# Altium PCB BaseBoard.PcbDoc (part 2 of 2)
Units mil, origin at the board's own origin, x right, y up, seen from the top; angles counter-clockwise.
Board outline 3469.66 x 2455.94 mil, 2 copper layers (Top Layer, Bottom Layer), stack 62.992 mil thick; 120 components, 101 nets, 403 pads, 233 vias.
Unrouted connection lines stored in the file: 1.
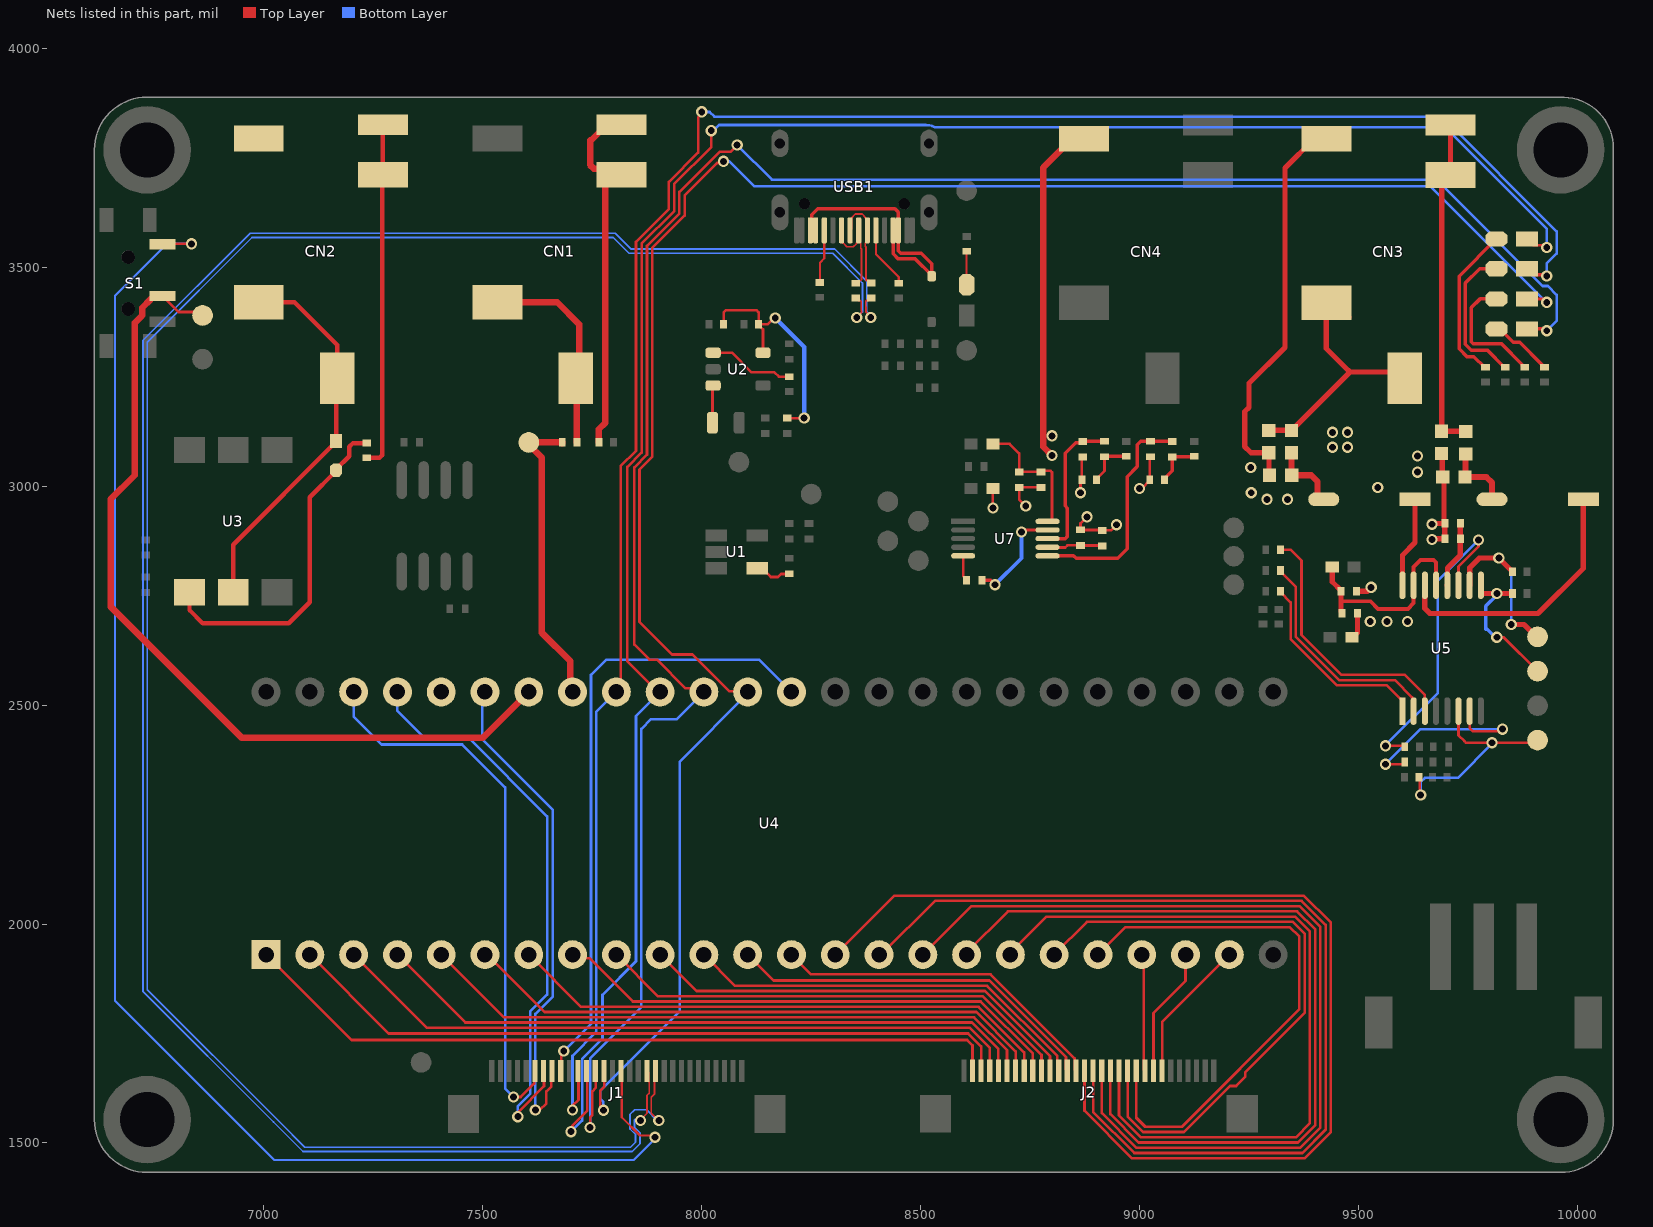
[diagram p2: the nets of this part, all layers, seen from the top]

## Via types
v1: diameter 25.59, hole 15.75, Top Layer to Bottom Layer, tented both sides, 233 vias

## Nets (pads, with @x,y where several pads share a name; then routed paths per layer and width w, separated by ;. In a path a pad name is that pad's centre, name@x,y a point inside that pad or via, vN(x,y) a via of type N, cw(c..) or ccw(c..) an arc to the next point about the centre after c; other vN are vias at no path point) (continued)
IN_AGND: C24.1 C25.1 C27.1 C29.1 C30.1 C31.1 C32.1 CN4.4 FB4.2 R31.2 R33.2 U7.9 | length 1464
  Top Layer w6: v1(8665,2950) FB4.2@8665,2995 ; v1(8730.41,2895.41) 8735,2900 U7.9@8790,2900 ; v1(8740,2955) 8725,2970 C24.1@8725,2997.28 C25.1@8775,2997.28 ; v1(8865,2985) 8865,3011.73 R31.2@8868.27,3015 8868.27,3064.81 C27.1@8870,3066.54 ; v1(8880,2930) 8865,2915 C30.1@8865,2900.43 8865.59,2899.84 8914.41,2899.84 C29.1@8915,2899.26 8934.26,2899.26 v1(8947,2912) ; v1(9000,2995) 9005.24,2995 9023.27,3013.03 R33.2@9023.27,3015 9023.27,3065.55 C31.1@9025,3067.28
  Top Layer w8: C32.1@8640,2785 8660,2785 v1(8670,2775)
  Top Layer w15: v1(8800,3070) 8780,3090 8780,3727.8 8845.71,3793.51 CN4.4@8873.27,3793.51
  Bottom Layer w9: v1(8670,2775) 8730.41,2835.41 v1(8730.41,2895.41)
  other v1: 8800,3115
LED_AUDIO: D5.1 J1.19 U4.39 | length 4743.3
  Top Layer w6: v1(7701.59,1525.8) 7705,1529.21 7705,1540 7738.23,1573.23 J1.19@7738.23,1663.31 ; U4.39@7905,2530 7900,2530 7830,2600 7830,3043.91 7863,3076.91 7863,3553.94 7937,3627.94 7937,3690 8021.8,3774.8 v1(8021.8,3812) ; D5.1@9885,3564.74 9899.5,3550.24 9924.76,3550.24 v1(9930,3545)
  Bottom Layer w6: v1(7701.59,1525.8) 7726.8,1551 7726.8,1691.8 7773.46,1738.46 7773.46,1838.46 7850,1915 7850,2475 U4.39@7905,2530 ; v1(8021.8,3812) 8026.62,3812 8039.62,3825 8512.13,3825 cw(c8512.13,3781.43) 8532.4,3820 9698.03,3820 9930,3588.03 v1(9930,3545)
LED_CLIP: D4.1 J1.20 U4.40 | length 4715.5
  Top Layer w6: v1@7705,1585 7718.54,1598.54 J1.20@7718.54,1663.31 ; U4.40@7805,2530 7815,2540 7815,3045.88 7850,3080.88 7850,3558 7925,3633 7925,3695 7992,3762 7992,3841.7 8000,3849.7 v1(8000,3855)
  Top Layer w8: D4.1@9885,3496.77 9898.5,3483.27 9926.73,3483.27 v1(9930,3480)
  Bottom Layer w6: v1(7705,1575) 7705,1699 7759,1753 7759,2484 U4.40@7805,2530 ; v1(8000,3855) 8000.28,3854.72 8018.28,3854.72 8029,3844 9691,3844 9952.8,3582.2 9952.8,3531 9930,3508.2 v1(9930,3480)
LED_MIDI_1: D7.1 J1.17 U4.37 | length 4706.3
  Top Layer w6: v1(7775.41,1574.59) 7768.2,1581.8 7768.2,1619.03 7777.6,1628.42 J1.17@7777.6,1663.31 ; v1(8050,3742) 8046.25,3738.25 8035.25,3738.25 7961,3664 7961,3618 7887,3544 7887,3066.97 7858,3037.97 7858,2690 7932.26,2615.74 7978.66,2615.74 8063,2531.4 8103.6,2531.4 U4.37@8105,2530 ; D7.1@9885,3427.6 9922.4,3427.6 v1(9930,3420)
  Bottom Layer w6: v1(7775.41,1574.59) 7775.41,1593.77 7768.2,1600.97 7768.2,1619.03 7950,1800.82 7950,2371 8105,2526 U4.37@8105,2530 ; v1(8050,3742) 8063,3742 8120,3685 9665,3685 v1(9930,3420)
LED_MIDI_2: D6.1 J1.18 U4.38 | length 4879.3
  Top Layer w6: v1(7745,1535) 7745,1558.06 7750.23,1563.29 7750.23,1618.02 7757.91,1625.71 J1.18@7757.91,1663.31 ; U4.38@8005,2530 7996.62,2538.38 7963,2538.38 7897.69,2603.69 7880.31,2603.69 7846,2638 7846,3042.94 7875,3071.94 7875,3548.97 7949,3622.97 7949,3671.82 8040.97,3763.8 8065.38,3763.8 8080.59,3779 v1(8081,3779)
  Top Layer w8: D6.1@9885,3359.2 9925.8,3359.2 v1(9930,3355)
  Bottom Layer w6: v1(7745,1535) 7745,1693.03 7862,1810.03 7862,2446 7884,2468 7943,2468 U4.38@8005,2530 ; v1(8081,3779) 8160,3700 9677.76,3700 9920.56,3457.2 9932.8,3457.2 9952.8,3437.2 9952.8,3377.8 v1(9930,3355)
MIDI_IN: MIDI-IN.1 S1.2 U4.42 | length 1996
  Top Layer w5: S1.2@6745.87,3435.47 S1.2@6781.3,3435.47 ; MIDI-IN.1@6852.28,3397.72 MIDI-IN.1@6860,3390
  Top Layer w6: S1.2@6776.3,3426.42 6805,3397.72 MIDI-IN.1@6852.28,3397.72
  Top Layer w15: S1.2@6740.87,3426.42 6722,3407.55 6722,3390 6705,3373 6705,3025 6650,2970 6650,2725 6950,2425 7500,2425 U4.42@7605,2530
MIDI_THRU: R5.2 THRU.1 U4.41 | length 689.9
  Top Layer w15: R5.2@7681.54,3098.03 R5.2@7681.54,3100 THRU.1@7605,3100 7605,3094.77 7635,3064.77 7635,2665 7700,2600 7700,2535 U4.41@7705,2530
NetC8_2: C8.2 U1.4 | length 84
  Top Layer w6: U1.4@8127.24,2812.6 8138.07,2812.6 8158,2792.67 8174.35,2792.67 8181.16,2799.48 8199.48,2799.48 C8.2@8200,2800
NetC11_1: C11.1 R11.2 R12.1 U2.5 | length 545.5
  Top Layer w6: R12.1@8050,3370 8050,3396.49 8055.51,3402 8125,3402 8130,3397 R11.2@8130,3370 ; U2.5@8140,3304.8 8140,3358.03 8130,3368.03 R11.2@8130,3370 ; v1(8168,3384) 8165.18,3384 8151.18,3370 R11.2@8130,3370 ; C11.1@8195,3155.43 8233.43,3155.43 v1(8234,3156)
  Bottom Layer w10: v1(8168,3384) 8234,3318 v1(8234,3156)
NetC14_1: C14.1 C16.1 FB1.1 U5.13 U5.15 | length 487
  Top Layer w9: 9459.82,2737.22 9527.8,2737.22 9545.02,2720 9613,2720 9626.02,2733.02 U5.15@9626.02,2773.7 9626.02,2815.02 9642,2831 9671.93,2831 9677.2,2825.73 U5.13@9677.2,2773.7
  Top Layer w12: FB1.1@9440,2815 9440,2781.79 9459.82,2761.97 C16.1@9459.82,2760 9459.82,2737.22 9459.82,2714.43 9462.28,2711.97 C14.1@9462.28,2710
NetC17_1: C17.1 U5.14 | length 620.4
  Top Layer w12: U5.14@9651.61,2773.7 9651.61,2720.39 9663,2709 9910,2709 10013.66,2812.66 C17.1@10013.66,2970
NetC17_2: C17.2 R17.2 R18.1 | length 158.2
  Top Layer w14: R17.2@9745,3073.82 9744.3,3073.12 9744.3,3021.71 R18.1@9743.59,3021 9792,3021 9805,3008 C17.2@9805,2970
NetC19_1: C19.1 U5.16 | length 208.3
  Top Layer w12: U5.16@9600.43,2773.7 9600.43,2842.43 9629.33,2871.33 C19.1@9629.33,2970
NetC19_2: C19.2 R21.2 R26.1 | length 166.3
  Top Layer w14: R21.2@9347,3076.41 9347.3,3076.11 9347.3,3025.3 R26.1@9347.59,3025 9392,3025 9406,3011 9406,2979.01 9415.01,2970 C19.2@9420.67,2970
NetC21_2: C21.2 C22.2 U5.12 | length 153.7
  Top Layer w12: U5.12@9702.8,2773.7 9703.14,2774.04 9703.14,2813.14 9732.71,2842.71 C21.2@9732.71,2880 C22.2@9732.71,2915
NetC24_2: C24.2 C25.2 FB3.2 U7.10 | length 308.9
  Top Layer w6: FB3.2@8665,3096.72 8703.28,3096.72 8725,3075 C24.2@8725,3032.71 C25.2@8775,3032.71 8777.29,3035 8796.49,3035 8800,3031.49 8800,2922.46 8797.23,2919.69 U7.10@8790,2919.69
NetC26_1: C26.1 R30.2 R31.1 | length 110.4
  Top Layer w6: R31.1@8901.73,3015 8901.73,3016.97 8920,3035.24 C26.1@8920,3067.28
  Top Layer w8: C26.1@8920,3067.28 8920.61,3067.89 8969.39,3067.89 R30.2@8970,3068.5
NetC26_2: C26.2 C27.2 U7.8 | length 340.5
  Top Layer w8: U7.8@8790,2880.31 8830.31,2880.31 8835,2885 8835,2950 8830,2955 8830,3075 8854.14,3099.14 8867.17,3099.14 C27.2@8870,3101.97 8870.37,3102.34 8919.63,3102.34 C26.2@8920,3102.71
NetC28_1: C28.1 R32.1 R33.1 | length 109.9
  Top Layer w8: R33.1@9056.73,3015 9056.73,3016.97 9075,3035.24 C28.1@9075,3066.54 9075.98,3067.52 9124.02,3067.52 R32.1@9125,3068.5
NetC28_2: C28.2 C31.2 U7.6 | length 524.6
  Top Layer w8: U7.6@8790,2840.94 8849.06,2840.94 8855,2835 8950,2835 8972,2857 8972,3022 8995,3045 8995,3095 9002.71,3102.71 C31.2@9025,3102.71 9025.38,3102.34 9074.63,3102.34 C28.2@9075,3101.97
NetC29_2: C29.2 C30.2 U7.7 | length 127.8
  Top Layer w6: U7.7@8790,2860.63 8790.63,2860 8830,2860 8835,2865 C30.2@8865,2865 8865.59,2864.41 8914.41,2864.41 C29.2@8915,2863.83
NetC32_2: C32.2 U7.5 | length 59
  Top Layer w6: U7.5@8597.09,2840.94 8597.09,2794.46 8604.57,2786.97 C32.2@8604.57,2785
NetD1_2: D1.2 R1.2 | length 76.5
  Top Layer w4: D1.2@8605,3460 R1.2@8605,3536.54
NetD3_2: D3.2 R8.2 U3.1 | length 783.7
  Top Layer w10: U3.1@6830,2757.6 6830,2717 6860,2687 7057,2687 7105,2735 7105,2974.57 7165,3034.57 D3.2@7165,3036.54 7165,3038.5 7195,3068.5 7195,3090 7203.46,3098.46 R8.2@7235,3098.46
NetD4_2: D4.2 R13.2 | length 337.3
  Top Layer w8: D4.2@9815,3496.77 9776.77,3496.77 9744,3464 9744,3323.89 9757.82,3310.07 9794.69,3310.07 9833.03,3271.73 R13.2@9835,3271.73
NetD5_2: D5.2 R14.2 | length 363.5
  Top Layer w8: R14.2@9790,3271.73 9788.03,3271.73 9763.69,3296.07 9747.82,3296.07 9730,3313.89 9730,3479.75 D5.2@9815,3564.74
NetD6_2: D6.2 R15.2 | length 147.4
  Top Layer w8: D6.2@9815,3359.2 9822.5,3359.2 9853.12,3328.57 9868.16,3328.57 9919.16,3277.57 9919.16,3275.61 9923.03,3271.73 R15.2@9925,3271.73
NetD7_2: D7.2 R16.2 | length 290.6
  Top Layer w8: D7.2@9815,3427.6 9777.6,3427.6 9758,3408 9758,3329.69 9762.69,3325 9826.73,3325 9874.16,3277.57 9874.16,3275.61 9878.03,3271.73 R16.2@9880,3271.73
NetL1_1: L1.1 U2.3 | length 85.6
  Top Layer w6: L1.1@8024.54,3145 8024.54,3228.54 U2.3@8026,3230
NetR3_1: R3.1 USB1.A5 | length 142.4
  Top Layer w5: USB1.A5@8397.99,3584.37 8397.99,3530.01 8450,3478 R3.1@8450,3463.46
NetR4_1: R4.1 USB1.B5 | length 123.5
  Top Layer w5: R4.1@8270,3465 8270,3510.5 8279.88,3520.38 USB1.B5@8279.88,3584.37
NetR10_2: R10.2 U2.1 | length 196.7
  Top Layer w6: U2.1@8026,3304.8 8069.2,3304.8 8114,3260 8166,3260 8176,3250 R10.2@8200,3250
NetR19_1: R19.1 SYS_CLK.1 U5.6 | length 517.2
  Top Layer w6: R19.1@9638.46,2335 9640.23,2333.23 9640.23,2296.77 v1(9642,2295) ; U5.6@9728.39,2486.3 9728.39,2431.1 9741.98,2417.51 9745.49,2414 v1(9805,2414) 9903,2414 SYS_CLK.1@9909,2420
  Bottom Layer w6: v1(9642,2295) 9642,2324 9652,2334 9726.82,2334 9805,2412.18 v1(9805,2414)
NetR20_2: R20.2 U5.1 | length 433.6
  Top Layer w6: R20.2@9321.73,2760 9321.73,2758.03 9345,2734.76 9345,2651.06 9451.06,2545 9564.85,2545 9595.06,2514.8 9596.54,2514.8 9600.43,2510.91 U5.1@9600.43,2509.42
NetR24_2: R24.2 U5.2 | length 521.6
  Top Layer w6: R24.2@9321.73,2807.5 9321.73,2805.53 9357,2770.26 9357,2656.03 9456.03,2557 9583,2557 9622.32,2517.68 9622.32,2516.71 9626.02,2513.01 U5.2@9626.02,2486.3
NetR25_2: R25.2 U5.3 | length 603.9
  Top Layer w6: R25.2@9321.73,2855 9345,2855 9370,2830 9370,2660 9461,2569 9606,2569 9651.61,2523.39 U5.3@9651.61,2486.3
NetR28_1: DEEM.1 R28.1 U5.9 | length 337.1
  Top Layer w6: v1@9819,2655 9831.39,2655 DEEM.1@9909,2577.39
  Top Layer w12: U5.9@9779.57,2773.7 9779.57,2755.82 9780.39,2755 v1(9815.96,2755) R28.1@9851.54,2755
  Bottom Layer w8: v1(9815.96,2655) 9812.29,2655 9794.29,2673 9791,2673 9791,2726.36 9815.96,2751.32 v1(9815.96,2755)
NetR29_1: PLL.1 R29.1 U5.10 | length 396.3
  Top Layer w12: U5.10@9753.98,2773.7 9754.32,2774.04 9754.32,2814.32 9776,2836 v1(9820.54,2836) 9847.69,2808.84 9849.66,2808.84 9851.54,2806.97 R29.1@9851.54,2805 ; v1(9849,2684) 9878.06,2684 9905.98,2656.08 PLL.1@9909,2656.08
  Bottom Layer w6: v1(9820.54,2836) 9849,2807.54 v1(9849,2684)
OUT_AGND: C14.2 C16.2 C18.1 C20.1 C21.1 C22.1 CN3.4 FB2.1 R18.2 R26.2 | length 1265.9
  Top Layer w12: R26.2@9296.41,3025 9295.71,3025.71 9295.71,3075.7 C20.1@9295,3076.41 9254.41,3076.41 9240,3090.81 9240,3170 9250,3180 9250,3235 9332,3317 9332,3726.53 9398.98,3793.51 CN3.4@9426.54,3793.51 ; FB2.1@9485,2655 9487.5,2655 9497.71,2665.21 9497.71,2676 C14.2@9497.71,2710 ; C16.2@9495.25,2760 9520,2760 v1(9529,2769) ; v1(9668,2878) 9670,2880 C21.1@9697.28,2880 C22.1@9697.28,2915 ; v1(9668,2913) 9670,2915 C22.1@9697.28,2915 ; C18.1@9690,3074.41 9691.21,3073.2 9691.21,3022.21 R18.2@9692.41,3021 9695.41,3018.01 9695.41,2916.87 C22.1@9697.28,2915
  other v1: 9527,2691 9565,2691 9612,2691 9291,2970 9338,2970 9255,2985 9544,2997 9635,3032 9254,3043 9635,3069 9441,3089 9475,3089 9441,3123 9475,3123
OUT_L: C18.2 CN3.3 CN3.7 R17.1 | length 762.9
  Top Layer w12: CN3.3@9710,3825 CN3.7@9710,3710.83 9690,3690.83 C18.2@9690,3125.59 9690.3,3125.29 9744.71,3125.29 R17.1@9745,3125
OUT_R: C20.2 CN3.5 CN3.6 R21.1 | length 617.7
  Top Layer w12: C20.2@9295,3127.59 R21.1@9347,3127.59 9480.4,3261 ; CN3.5@9477.63,3386.12 9444.26,3419.49 CN3.5@9426.54,3419.49 9426.54,3314.86 9477.63,3263.78 9480.4,3261 ; CN3.6@9605.67,3246.26 9590.93,3261 9480.4,3261
PIN15: J2.15 U4.15 | length 2247.5
  Top Layer w6: U4.15@8405,1930 8410,1930 8533,2053 9370.03,2053 9425,1998.03 9425,1530.15 9371.85,1477 8988.15,1477 8894.02,1571.13 J2.15@8894.02,1665
PIN16: J2.14 U4.16 | length 2079.7
  Top Layer w6: U4.16@8505,1930 8616,2041 9365.06,2041 9413,1993.06 9413,1535.12 9366.88,1489 8993.12,1489 8913.7,1568.42 J2.14@8913.7,1665
PIO01: J2.29 U4.1 | length 1757.1
  Top Layer w6: U4.1@7005,1930 7200,1735 8606.35,1735 8618.43,1722.93 J2.29@8618.43,1665
PIO02: J2.28 U4.2 | length 1675.2
  Top Layer w6: U4.2@7105,1930 7285,1750 8608.32,1750 8638.11,1720.21 J2.28@8638.11,1665
PIO03: J2.27 U4.3 | length 1593.3
  Top Layer w6: U4.3@7205,1930 7372,1763 8612.3,1763 8657.8,1717.5 J2.27@8657.8,1665
PIO04: J2.26 U4.4 | length 1511.4
  Top Layer w6: U4.4@7305,1930 7460,1775 8617.27,1775 8677.48,1714.79 J2.26@8677.48,1665
PIO05: J2.25 U4.5 | length 1429.5
  Top Layer w6: U4.5@7405,1930 7548,1787 8622.24,1787 8697.17,1712.07 J2.25@8697.17,1665
PIO06: J2.24 U4.6 | length 1347.6
  Top Layer w6: U4.6@7505,1930 7510,1930 7641,1799 8627.21,1799 8716.85,1709.36 J2.24@8716.85,1665
PIO07: J2.23 U4.7 | length 1265.7
  Top Layer w6: U4.7@7605,1930 7724,1811 8632.18,1811 8736.54,1706.64 J2.23@8736.54,1665
PIO08: J2.22 U4.8 | length 1183.8
  Top Layer w6: U4.8@7705,1930 7713.11,1921.89 7744,1921.89 7842.89,1823 8637.15,1823 8756.22,1703.93 J2.22@8756.22,1665
PIO09: J2.21 U4.9 | length 1101.9
  Top Layer w6: U4.9@7805,1930 7900,1835 8642.12,1835 8775.91,1701.21 J2.21@8775.91,1665
PIO10: J2.20 U4.10 | length 1020
  Top Layer w6: U4.10@7905,1930 7988,1847 8647.09,1847 8795.59,1698.5 J2.20@8795.59,1665
PIO11: J2.19 U4.11 | length 938.1
  Top Layer w6: U4.11@8005,1930 8076,1859 8652.06,1859 8812.37,1698.69 8812.37,1667.91 J2.19@8815.28,1665
PIO12: J2.18 U4.12 | length 856.2
  Top Layer w6: U4.12@8105,1930 8164,1871 8657.03,1871 8832.05,1695.97 8832.05,1667.91 J2.18@8834.96,1665
PIO13: J2.17 U4.13 | length 774.3
  Top Layer w6: U4.13@8205,1930 8250,1885 8660,1885 8851.74,1693.26 8851.74,1667.91 J2.17@8854.65,1665
PIO14: J2.16 U4.14 | length 2415.3
  Top Layer w6: U4.14@8305,1930 8440,2065 9375,2065 9437,2003 9437,1525.18 9376.82,1465 8983.18,1465 8874.33,1573.85 J2.16@8874.33,1665
PIO17: J2.13 U4.17 | length 1914.8
  Top Layer w6: U4.17@8605,1930 8605,1935 8699,2029 9360.09,2029 9401,1988.09 9401,1540.09 9361.91,1501 8998.09,1501 8933.39,1565.7 J2.13@8933.39,1665
PIO18: J2.12 U4.18 | length 1747
  Top Layer w6: U4.18@8705,1930 8705,1935 8787,2017 9355.12,2017 9389,1983.12 9389,1545.06 9356.94,1513 9003.06,1513 8953.07,1562.99 J2.12@8953.07,1665
PIO19: J2.11 U4.19 | length 1437.8
  Top Layer w6: U4.19@8805,1930 8880,2005 9350.15,2005 9377,1978.15 9377,1797 9241.82,1661.82 9241.82,1651.27 9220.58,1630.03 9206.44,1630.03 9101.41,1525 9008.03,1525 8972.76,1560.27 J2.11@8972.76,1665
PIO20: J2.10 U4.20 | length 1260.4
  Top Layer w6: U4.20@8905,1930 8968,1993 9343,1993 9365,1971 9365,1805.56 9096.44,1537 9013,1537 8992.44,1557.56 J2.10@8992.44,1665
PIO21: J2.9 U4.21 | length 268
  Top Layer w6: U4.21@9005,1930 9009.22,1925.78 9009.22,1667.91 J2.9@9012.13,1665
PIO22: J2.8 U4.22 | length 295.3
  Top Layer w6: J2.8@9031.81,1665 9031.81,1796.81 9105,1870 U4.22@9105,1930
PIO23: J2.7 U4.23 | length 328.6
  Top Layer w6: J2.7@9051.5,1665 9051.5,1776.5 U4.23@9205,1930
PIO36: J1.22 U4.36 | length 1436.9
  Top Layer w6: J1.22@7679.17,1663.31 7679.17,1704.17 v1(7685,1710)
  Bottom Layer w6: v1(7685,1710) 7747,1772 7747,2569 7782,2604 8131,2604 U4.36@8205,2530
PIO43: J1.23 U4.43 | length 1151.3
  Top Layer w6: v1(7620,1575) 7630,1575 7645,1590 7645,1617.77 7656.58,1629.35 7656.58,1660.4 J1.23@7659.49,1663.31
  Bottom Layer w6: U4.43@7505,2530 7499,2524 7499,2422 7660,2261 7660,1835 7620,1795 v1(7620,1575)
PIO45: J1.24 U4.45 | length 1326.7
  Top Layer w6: v1(7580,1560) 7580,1570 7639.8,1629.8 J1.24@7639.8,1663.31
  Bottom Layer w6: U4.45@7305,2530 7305,2487 7367,2425 7468,2425 7647,2246 7647,1839 7608,1800 7608,1612.18 7580,1584.18 v1(7580,1560)
PIO46: J1.25 U4.46 | length 1272.6
  Top Layer w6: v1(7570,1605) 7586.35,1605 7617.21,1635.86 7617.21,1660.4 J1.25@7620.12,1663.31
  Bottom Layer w6: U4.46@7205,2530 7205,2474 7269,2410 7453,2410 7551,2312 7551,1624 v1(7570,1605)
SFOR0: R22.2 U5.11 | length 724.6
  Top Layer w6: v1(9562,2407) 9603.75,2407 R22.2@9605.75,2405 ; U5.11@9728.39,2773.7 9728.39,2816.64 9774,2862.26 v1(9774,2877)
  Bottom Layer w6: v1(9562,2407) 9562,2409 9681.2,2528.2 9681.2,2784.2 v1(9774,2877)
SFOR1: R23.2 U5.7 | length 464.7
  Top Layer w6: v1(9562,2365) 9600.88,2365 9605.75,2369.87 R23.2@9605.75,2370 ; U5.7@9753.98,2486.3 9753.98,2448.02 9762,2440 9824,2440 v1(9829,2445)
  Bottom Layer w6: v1(9562,2365) 9642,2445 v1(9829,2445)
SPDIF_OUT: U4.44
TRS_MIDI_IN_R: CN2.3 CN2.7 R8.1 | length 792.8
  Top Layer w10: R8.1@7235,3065 7264.14,3065 7270,3070.86 7270,3709.61 CN2.7@7271.73,3711.34 CN2.3@7271.73,3825.51
TRS_MIDI_IN_S: CN2.4
TRS_MIDI_IN_T: CN2.5 CN2.6 D3.1 U3.2 | length 882.8
  Top Layer w10: U3.2@6930,2757.6 6930,2866.5 7165,3101.5 D3.1@7165,3103.46 7165,3244.37 CN2.6@7167.4,3246.77 7167.4,3322.6 7070,3420 CN2.5@6988.27,3420
TRS_MIDI_THRU_R: CN1.3 CN1.7 R2.1 | length 865.1
  Top Layer w15: R2.1@7765,3100 7765,3130 7780,3145 7780,3689.31 7802.03,3711.34 CN1.7@7816.73,3711.34 7803.07,3725 7753.79,3725 7745,3733.79 7745,3790 7747.76,3790 7783.27,3825.51 CN1.3@7816.73,3825.51
TRS_MIDI_THRU_T: CN1.5 CN1.6 R5.1 | length 481.7
  Top Layer w15: CN1.5@7533.27,3420 7670,3420 7720,3370 7720,3254.37 CN1.6@7712.4,3246.77 7715,3244.17 R5.1@7715,3100
USB_D_N: J1.12 R6.1 | length 4929.3
  Top Layer w4: v1@7860,1553.14 7875,1568.14 7875,1608.55 7879.93,1613.48 7879.93,1638.31 7878.8,1639.44 7878.8,1660.53 J1.12@7876.02,1663.31 ; v1(8386,3385) 8386,3386.97 8375.35,3397.62 8375.35,3408.32 8374.56,3409.12 8374.56,3422.05 8376.9,3424.39 8381.13,3424.39 R6.1@8387,3430.27
  Bottom Layer w4: v1@7860,1549 7860,1550 7863.81,1553.81 7848.55,1553.81 7846.2,1551.47 7846.2,1536.06 7858.93,1523.34 7858.93,1497.93 7841.41,1480.41 7089.45,1480.41 7021.93,1547.93 6723.73,1846.13 6723.73,3332.87 6968.79,3577.93 7802.07,3577.93 7805,3575 7838,3542 8303.14,3542 8377,3468.14 8377,3398 8386,3389 v1(8386,3385)
  other v1: 7860,1551.14
USB_D_P: J1.11 R7.1 | length 4937.6
  Top Layer w4: J1.11@7895.71,1663.31 7892,1659.6 7892,1611.41 7885,1604.41 7885,1568.14 v1(7902,1551.14) ; R7.1@8352,3430 8357.87,3424.13 8362.21,3424.13 8364.56,3421.78 8364.56,3401.03 8365.35,3400.23 8365.35,3396.91 8354,3385.56 v1(8354,3385)
  Bottom Layer w4: v1(7902,1551.14) 7898.86,1551.14 7874.2,1575.8 7846.8,1575.8 7836.2,1565.2 7836.2,1531.92 7848.93,1519.2 7848.93,1502.07 7837.27,1490.41 7093.59,1490.41 7036.07,1547.93 6733.73,1850.27 6733.73,3328.73 6972.93,3567.93 7797.93,3567.93 7833.86,3532 8299,3532 8367,3464 8367,3398 v1(8354,3385)
USB_IN_D_N: R6.2 USB1.A7 USB1.B7 | length 231.6
  Top Layer w4: USB1.A7@8338.94,3584.37 8342.26,3587.69 8342.26,3613.02 8351.13,3621.9 8366.11,3621.9 8372.53,3615.48 8372.53,3614.29 8378.31,3608.51 8378.31,3560.23 8373.47,3555.39 8373.47,3548.03 8374.94,3546.55 8374.94,3471.95 8377.29,3469.61 8382.13,3469.61 R6.2@8388,3463.73
USB_IN_D_P: R7.2 USB1.A6 USB1.B6 | length 207.7
  Top Layer w4: USB1.B6@8319.25,3584.37 8322.57,3581.05 8322.57,3555.72 8331.45,3546.84 8346.43,3546.84 8352.84,3553.26 8352.84,3554.45 USB1.A6@8358.62,3560.23 ; R7.2@8352,3463.46 8357.87,3469.34 8362.6,3469.34 8364.94,3471.68 8364.94,3542.41 8363.47,3543.89 8363.47,3555.39 USB1.A6@8358.62,3560.23 ; USB1.A6@8358.62,3584.37 USB1.A6@8358.62,3560.23
USB_MIDI_IN: J1.15 S1.1 | length 3511.6
  Top Layer w5: S1.1@6763.58,3553.58 v1(6834.53,3553.58) ; J1.15@7816.97,1663.31 7817.23,1663.04 7817.23,1558.77 7859,1517 7879.78,1517 7879.84,1516.94 7889.06,1516.94 v1(7893,1513)
  Bottom Layer w5: v1(6834.53,3553.58) 6778.58,3553.58 6660,3435 6660,1825 7024,1461 7845.01,1461 7893,1508.99 v1(7893,1513)
VBUS: D2.1 USB1.A4 USB1.A9 USB1.B4 USB1.B9 | length 610.3
  Top Layer w8: USB1.A9@8248.39,3584.37 8250.9,3586.88 8250.9,3619.9 8264.9,3633.9 8441.42,3633.9 8449.17,3626.15 USB1.A4@8449.17,3584.37 8449.17,3537.83 8455,3532 8501,3532 8525,3508 D2.1@8525,3481.65 ; USB1.B9@8437.36,3584.37 8437.36,3530.64 8448,3520 8486.65,3520 D2.1@8525,3481.65 ; D2.1@8525,3479.68 D2.1@8525,3481.65
pads on no net: "S1. " Designator10.1 Designator11.1 Designator12.1 Designator13.1 J1.26 J1.27 J1.28 J1.29 J1.30 JP1.0 S1.0 U3.3 U3.6 USB1.0 USB1.A8 USB1.B8

## Polygon pours and split planes (outlines as drawn)
GND on Top Layer "GND_L01_P028" (solid, remove dead copper, pour order 28): 6731.03,1434.19 9959.38,1434.19 cw(c9959.38,1436.7) 9959.37,1434.19 9959.38,1434.19 ccw(c9959.38,1436.7) 9959.38,1434.19 ccw(c9959.3,1554.89) 10080,1554.89 ccw(c9959.3,1554.89) 10080,1554.97 ccw(c10077.49,1554.97) 10080,1555.03 10080,3769.43 ccw(c9963.46,3773.32) 10080.06,3773.32 ccw(c9963.46,3773.32) 9967.37,3889.86 ccw(c9967.28,3887.34) 9967.23,3889.86 6731.03,3890.12 ccw(c6731.03,3887.61) 6730.98,3890.12 cw(c6731.03,3769.5) 6731.03,3890.12 6730.98,3890.12 ccw(c6731.03,3769.5) 6610.4,3769.5 6610.4,1554.81 ccw(c6731.03,1554.81)
5V on Top Layer "5V_L01_P001" (solid, pour order 1): 8483,3422 8703,3422 8703,3281 8681,3259 8581,3259 8581,3344.84 8537.72,3344.84 8533.72,3340.85 8511.16,3340.85 8511.16,3176.16 8493,3158 8426,3158 8426,3244 8436.7,3254.7 8436.7,3371.7 8461,3396 8461,3397
IN_AGND on Top Layer "IN_AGND_L01_P019" (solid, pour order 19): 8625,3070 8625,2740 8885,2740 9055,2910 9055,3150 8800,3150 8720,3070
VBUS on Top Layer "VBUS_L01_P004" (solid, pour order 4): 8423,3621 8423.86,3620.14 8468.86,3620.14 8468.86,3541 8469.86,3540 8518,3540 8541,3517 8541,3454 8506,3454 8477,3483 8477,3500 8448,3500 8420,3528 8420,3560
5V on Top Layer "5V_L01_P012" (solid, pour order 12): 9130,1740 9131,1741 9131,1813 9195,1813 9256,1874 9256,1982 9354,1982 9358,1978 9358,1810 9232,1684 9131,1684
D3V3 on Top Layer "D3V3_L01_P023" (solid, pour order 23): 9060,1765 9060,1710 9065,1710 9085,1690 9085,1640 9115,1640 9115,1700 9130,1715 9130,1765
A3V3 on Top Layer "A3V3_L01_P014" (solid, pour order 14): 8099,2874 8100,2875 8100,2948 8156,2948 8232,3024 8308,3024 8308,2891 8173,2891 8173,2886 8162,2875
OUT_AGND on Top Layer "OUT_AGND_L01_P016" (solid, pour order 16): 9232,3186 9772.49,3186 9772.49,2770 9669.49,2667 9398.49,2667 9398.49,2733 9398.49,2939 9255,2939 9232,2962
A3V3 on Top Layer "A3V3_L01_P015" (solid, pour order 15): 9633,2416 9631,2414 9631,2359 9681.05,2359 9682,2358.05 9682,2417
D3V3 on Top Layer "D3V3_L01_P013" (solid, pour order 13): 8054,3175 8055,3174 8055,3013 8187,3013 8279,3105 8279,3187 8054,3187 8053,3188
5V on Top Layer "5V_L01_P011" (solid, pour order 11): 8068,1708 8058.19,1698.19 8058.19,1619.44 8166.44,1619.44 8175,1628 8175,1708
5V on Top Layer "5V_L01_P009" (solid, pour order 9): 8229,3312 8229,3204 8397,3204 8443,3158 8493,3158 8493,3199 8449,3243 8357,3243 8339,3261 8339,3312
VBUS on Top Layer "VBUS_L01_P008" (solid, pour order 8): 8430,3541 8428,3543 8235,3543 8235,3622 8254,3641 8450,3641 8450,3639 8468.86,3620.14 8468.86,3541
5V on Top Layer "5V_L01_P024" (solid, pour order 24): 9135,1765 9135,1635 9185,1635 9205,1655 9205,1765
IN_AGND on Top Layer "IN_AGND_L01_P017" (solid, pour order 17): 8765,3775 8795,3805 8890,3805 8890,3735 8795,3640 8795,3135 8810,3120 8765,3075
GND on Bottom Layer "S" (solid, remove dead copper, pour order 25): 6731.03,1434.26 9959.37,1434.26 cw(c9959.37,1436.77) 9959.37,1434.26 ccw(c9959.37,1436.77) 9959.38,1434.26 ccw(c9959.3,1554.96) 10080,1554.96 ccw(c9959.3,1554.96) 10080,1555.04 ccw(c10077.49,1555.04) 10080,1555.1 10080,3769.5 ccw(c9963.46,3773.39) 10080.06,3773.39 ccw(c9963.46,3773.39) 9967.37,3889.93 ccw(c9967.28,3887.41) 9967.23,3889.93 6731.03,3890.19 ccw(c6731.03,3887.68) 6730.98,3890.19 cw(c6731.03,3769.57) 6731.03,3890.19 6730.98,3890.19 ccw(c6731.03,3769.57) 6610.4,3769.57 6610.4,1554.88 ccw(c6731.03,1554.88)
OUT_AGND on Bottom Layer "OUT_AGND_L02_P005" (solid, remove dead copper, pour order 5): 9250,3186 9766,3186 9766,2770 9663,2667 9392,2667 9392,2733 9392,2925 9292,2925 9250,2967
IN_AGND on Bottom Layer "IN_AGND_L02_P000" (solid, pour order 0): 8625,3070 8625,2860 9005,2860 9055,2910 9055,3135 8785,3135 8720,3070
D3V3 on Bottom Layer "D3V3_L02_P029" (solid, pour order 29): 9136,1833.31 9136,1701 9133,1698 9129.66,1701.34 9065.51,1701.34 9065.51,1762.51 9097,1794
D3V3 on Bottom Layer "D3V3_L02_P027" (solid, pour order 27): 8098,3093 8099,3092 8208,3092 8208,3010 8182,2984 8097,2984
5V on Bottom Layer "5V_L02_P020" (solid, pour order 20): 8101,1701 8188,1701 8188,1636 8176,1624 8099,1624
A3V3 on Bottom Layer "A3V3_L02_P007" (solid, pour order 7): 8262,2949 8315,2949 8315,2881 8311,2877 8263,2877
VBUS on Bottom Layer "VBUS_L02_P026" (solid, pour order 26): 9251,1885
5V on Bottom Layer "5V_L02_P018" (solid, remove dead copper, pour order 18): 9215,1805 9165,1805 9135,1775 9135,1646 9215,1646

## Other copper
Top Layer:
  region net MIDI_IN: 6675,3304.06
  region net GND: 9669.02,2336.97
  region net PIO21: 9232.82,1655
  region net IN_AGND: 8640,2785
  region: 8915,2863.83
  region: 7954.76,1663.31
Bottom Layer:
  region net IN_AGND: 8645,3048
  region net GND: 9819,2717
  region: 9815.96,2755

## Silkscreen, mask and mechanical layers (free items; w line width, h text height)
Top Overlay:
  circle w10: c6924,1845 r16.12
  lines w8: 7257,2584 7257,2626 ; 7459,1837 7459,1879 ; 7756,2583 7756,2625 ; 7965,1839 7965,1881 ; 8258,2586 8258,2628 ; 8460,1839 8460,1881 ; 8755,2585 8755,2627 ; 8959,1837 8959,1879 ; 9252,2582 9252,2624
  text "MIDI IN" at 7345,3889 h70 r270
  text "MIDI THRU" at 7897,3889 h70 r270
  text "Line In" at 8714,3889 h70 r270
  text "Line Out" at 9275,3888 h70 r270
  text "AUD" at 9935,3535.2 h40
  text "CLIP" at 9950,3482.24 h40
  text "MIDI1" at 9935,3398.4 h40
  text "MIDI2" at 9935,3330 h40
  text "MIDI SEL / USB <-> DIN" at 6617.34,3268.75 h45 r270
  text "Ed's  / Lab" at 7581.73,2682.21 h160
  text "25" at 9276,2598.78 h70
  text "48" at 6974.13,2595.81 h70
  text "GND" at 9671.44,2141 h40 r270
  text "RX" at 9771,2112 h40 r270
  text "TX" at 9871,2110 h40 r270
  text "35T" at 8042.05,2062.31 h70
  text "1" at 6992,1822 h70
  text "24" at 9273,1820 h70
  text "Expansion I/O" at 8687,1748.34 h70
  text "UI Controls" at 7648,1740.78 h70
  text "1" at 9182,1723 h40
  text "30" at 8569,1719.44 h40
  text "1" at 8104.97,1706.37 h40
  text "30" at 7491.97,1702.82 h40
  text "CTL UART" at 9553,1651.44 h40
  text "REVA. 2024/5" at 9602,1471.44 h40
  text "XFM2 DSP / Baseboard" at 6921,1456 h70
Bottom Overlay:
  drawing of 6781 lines, arcs and shapes, not listed
Mechanical 1:
  circle w0.5: c6733.36,3768.05 r59.06
  circle w0.5: c9961.71,3768.05 r59.06
  circle w0.5: c6733.36,1553.36 r59.06
  circle w0.5: c9961.71,1553.36 r59.06
  circle w0.5: c6733.36,3768.05 r118.11
  circle w0.5: c9961.71,3768.05 r118.11
  circle w0.5: c9961.71,1553.36 r118.11
  circle w0.5: c6733.36,1553.36 r118.11
  lines w0.5: 6615.25,1553.36 ccw(c6733.36,1553.36) 6733.36,1435.25 ; 6615.25,3768.05 cw(c6733.36,3768.05) 6733.36,3886.16 ; 9961.71,1435.25 ccw(c9961.71,1553.36) 10079.82,1553.36 ; 9961.71,3886.16 cw(c9961.71,3768.05) 10079.82,3768.05 ; 7008.95,3303.48 7245.17,3303.48 7245.17,3886.16 7008.95,3886.16 7008.95,3303.48 ; 7560.13,3303.48 7560.13,3886.16 7796.35,3886.16 7796.35,3303.48 7560.13,3303.48 ; 8185.13,3586.16 8509.94,3586.16 8509.94,3886.16 8185.13,3886.16 8185.13,3586.16 ; 8898.71,3303.48 8898.71,3886.16 9134.94,3886.16 9134.94,3303.48 8898.71,3303.48 ; 9449.9,3303.48 9449.9,3886.16 9686.12,3886.16 9686.12,3303.48 9449.9,3303.48
  lines w5: 10079.82,1553.36 10079.82,3771.87 ; 10079.82,1553.51 cw(c9961.63,1553.44) 9961.71,1435.25 6733.36,1435.25 cw(c6733.36,1553.36) 6615.25,1553.36 6615.25,3768.05 cw(c6733.36,3768.05) 6733.36,3886.16 9969.61,3885.89 cw(c9965.79,3771.87) 10079.82,3768.05

## Dimensions
9969.61,3885.89 to 9961.71,1435.25 on Mechanical 1
6615.25,3768.05 to 10079.82,3771.87 on Mechanical 1

## Text inside footprints (layer, text, board x,y; h text height)
U4: Top Overlay "CMOD A7" at 6970,2005 h60; Top Overlay "BTN1" at 7224,2343 h60; Top Overlay "BTN0" at 6956,2345 h60; Top Overlay "PMOD" at 6825,2130 h60 r90